# KiCad board DCTransistor.kicad_pcb (continued)
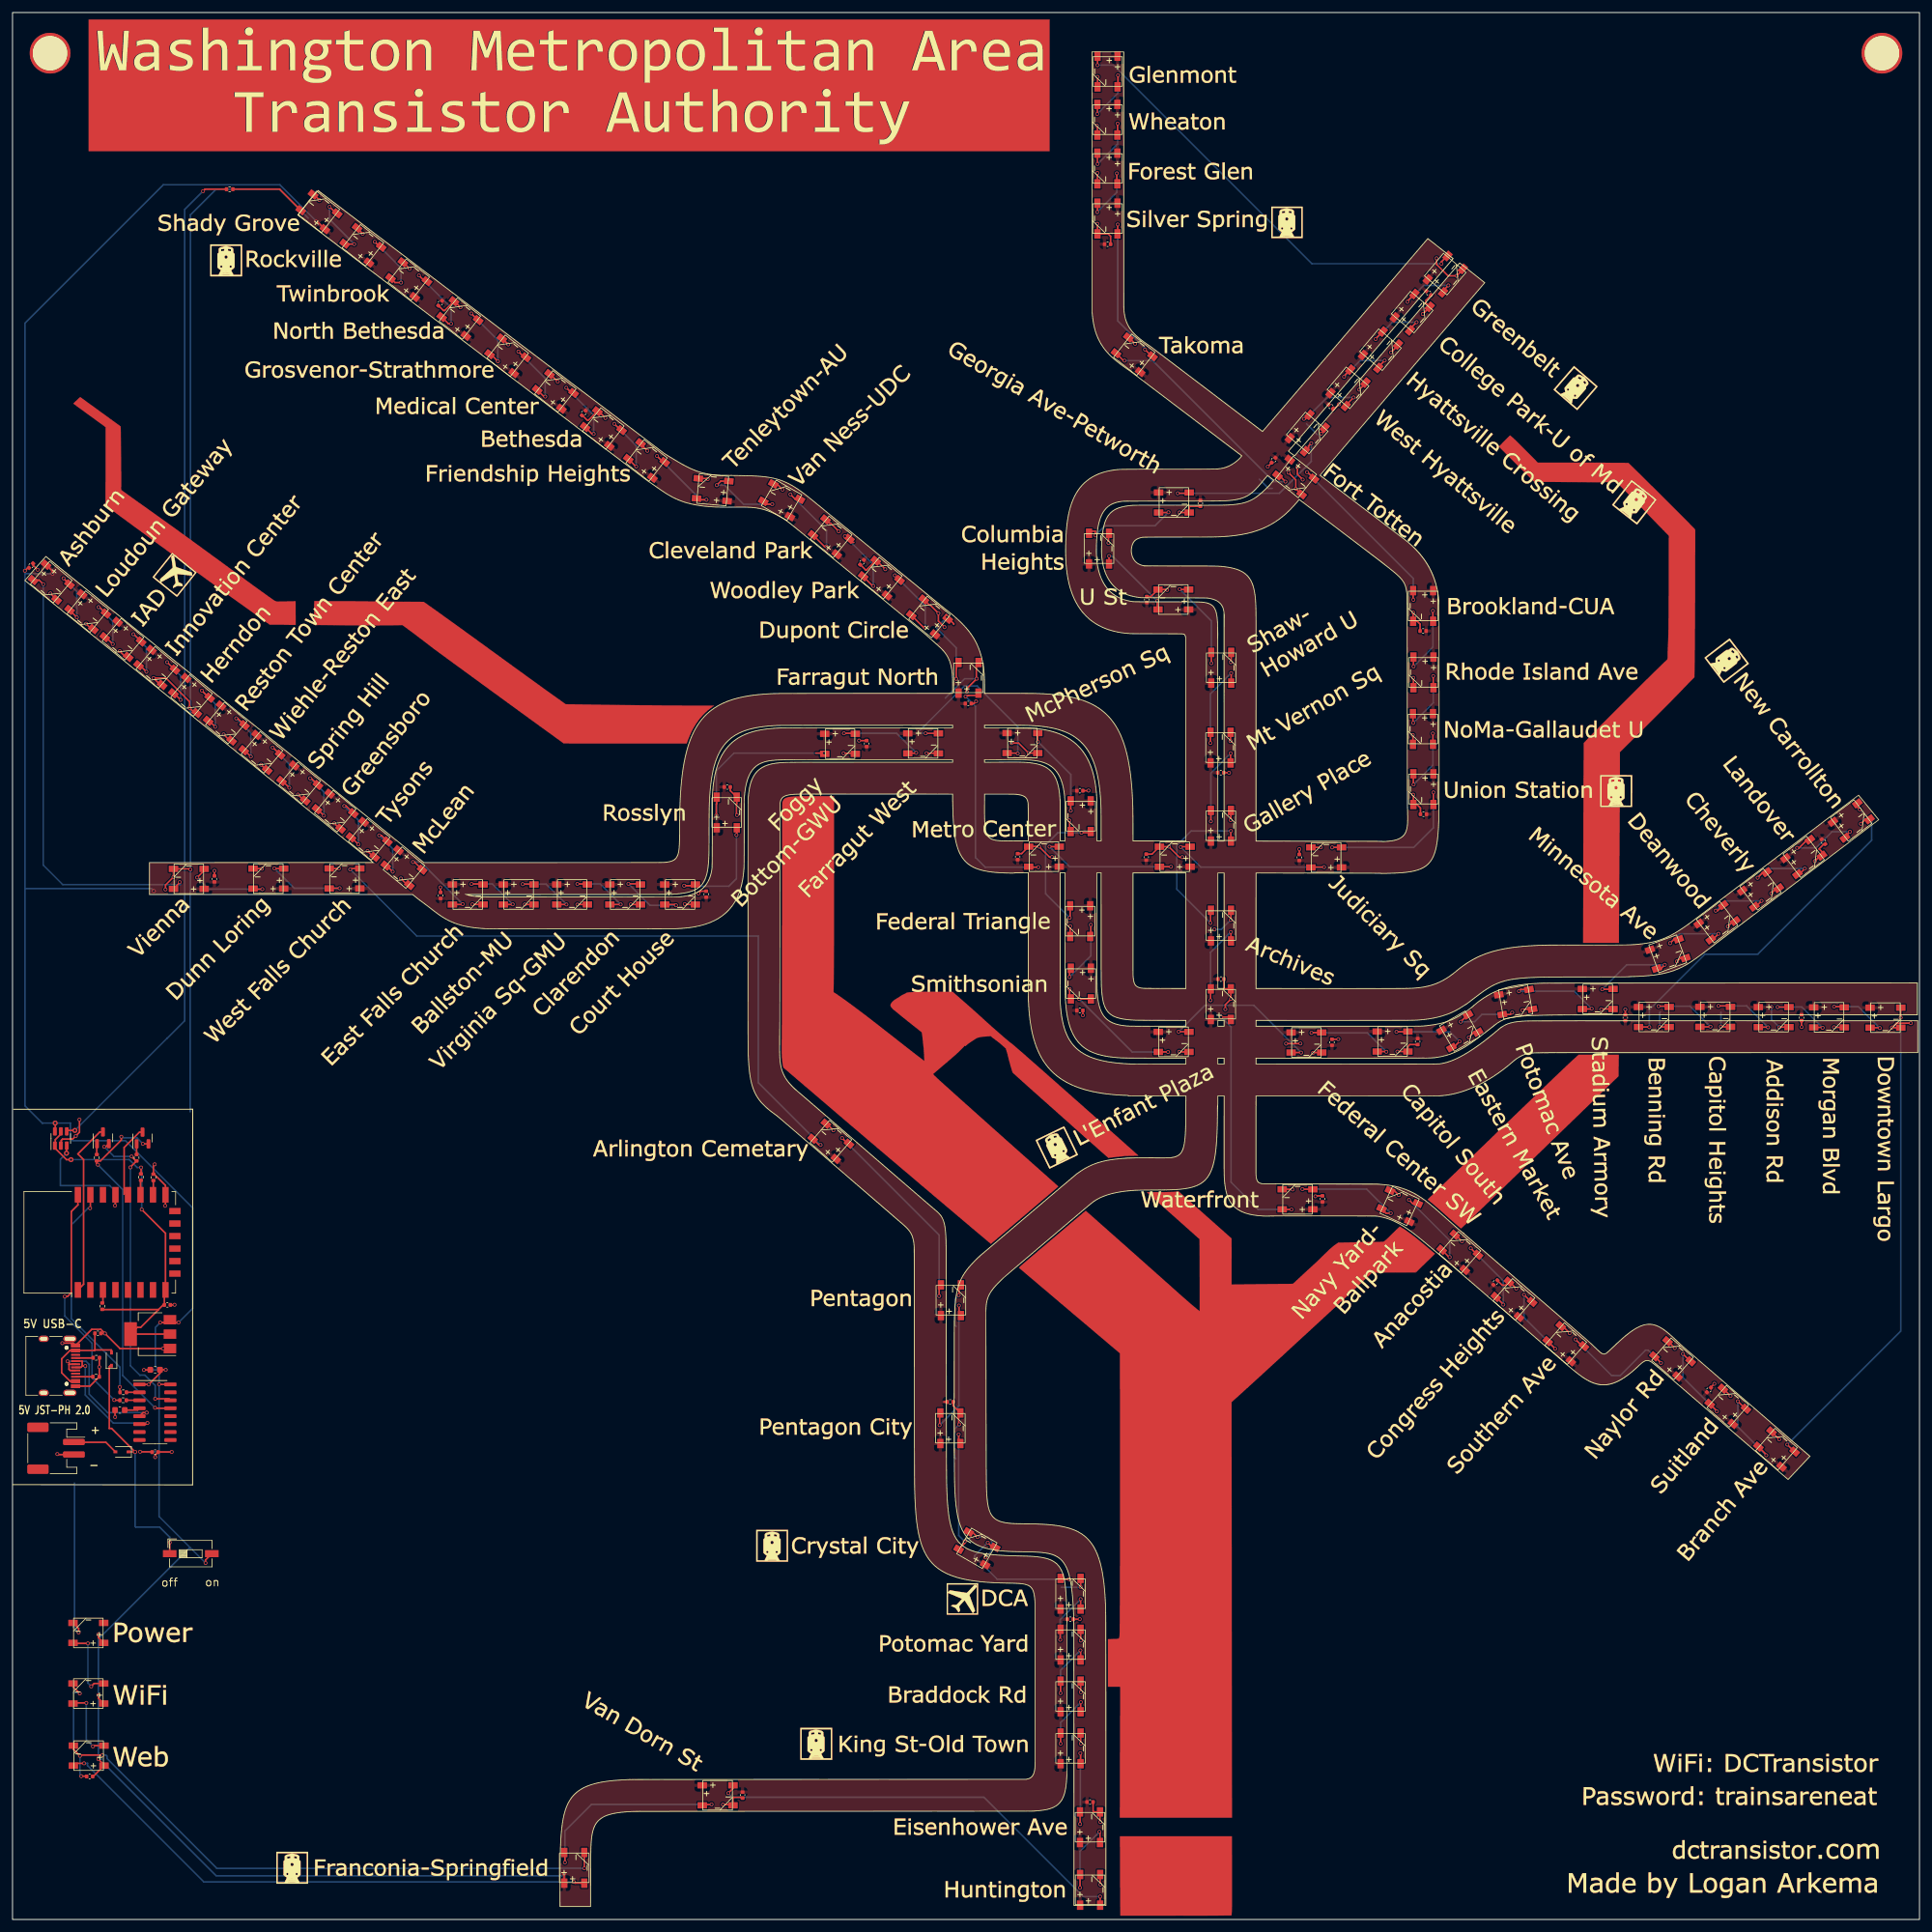
[diagram p0: board, top side]
## Nets (continued)
Net-(D58-Pad2): D58.2 D59.4
Net-(D59-Pad2): D59.2 D60.4
Net-(D60-Pad2): D60.2 D61.4
Net-(D61-Pad2): D61.2 D62.4
Net-(D62-Pad2): D62.2 D63.4
Net-(D63-Pad2): D63.2 D64.4
Net-(D64-Pad2): D64.2 D65.4
Net-(D65-Pad2): D65.2 D66.4
Net-(D66-Pad2): D66.2 D67.4
Net-(D67-Pad2): D67.2 D68.4
Net-(D68-Pad2): D68.2 D69.4
Net-(D69-Pad2): D69.2 D70.4
Net-(D70-Pad2): D70.2 D71.4
Net-(D71-Pad2): D71.2 D72.4
Net-(D72-Pad2): D72.2 D73.4
Net-(D73-Pad2): D73.2 D74.4
Net-(D74-Pad2): D74.2 D75.4
Net-(D75-Pad2): D75.2 D76.4
Net-(D76-Pad2): D76.2 D77.4
Net-(D77-Pad2): D77.2 D78.4
Net-(D78-Pad2): D78.2 D79.4
Net-(D79-Pad2): D79.2 D80.4
Net-(D80-Pad2): D80.2 D81.4
Net-(D81-Pad2): D81.2 D82.4
Net-(D82-Pad2): D82.2 D83.4
Net-(D83-Pad2): D83.2 D84.4
Net-(D84-Pad2): D84.2 D85.4
Net-(D85-Pad2): D85.2 D86.4
Net-(D86-Pad2): D86.2 D87.4
Net-(D87-Pad2): D87.2 D88.4
Net-(D88-Pad2): D88.2 D89.4
Net-(D89-Pad2): D89.2 D90.4
Net-(D90-Pad2): D90.2 D91.4
Net-(D91-Pad2): D91.2 D92.4
Net-(D92-Pad2): D92.2 D93.4
Net-(D93-Pad2): D93.2 D94.4
Net-(D94-Pad2): D94.2 D95.4
Net-(D95-Pad2): D95.2 D96.4
Net-(D96-Pad2): D96.2 D97.4
Net-(D98-Pad2): D98.2 D99.4
Net-(D100-Pad2): D100.2 D101.4
Net-(D100-Pad4): D99.2 D100.4
Net-(D101-Pad2): D101.2 D102.4
Net-(D102-Pad2): D102.2 D103.4
Net-(D103-Pad2): D103.2 D104.4
Net-(D104-Pad2): D104.2 D105.4
Net-(D105-Pad2): D105.2 D106.4
Net-(J0-PadA5): J0.A5 R0.2
Net-(J0-PadA6): J0.A6 J0.B6 U0.5
Net-(J0-PadA7): J0.A7 J0.B7 U0.6
Net-(J0-PadB5): J0.B5 R3.2
Net-(Q0-Pad1): Q0.1 R4.2
Net-(Q0-Pad2): Q0.2 R5.1 U0.14
Net-(Q1-Pad1): Q1.1 R5.2
Net-(Q1-Pad2): Q1.2 R4.1 U0.13
Net-(R1-Pad1): R1.1 U0.2
Net-(R2-Pad1): R2.1 U0.3
Net-(R6-Pad2): R6.2 U2.3
Net-(R7-Pad1): R7.1 U2.17
Net-(R8-Pad2): R8.2 U3.4
Net-(R9-Pad1): R9.1 U2.16

Pads without a net: D106 2; J0 A8 B8; J1 MP; M2_0 1; M2_0#2 1; U0 7 8 9 10 11 12 15; U2 2 4 5 6 7 9 10 11 12 13 14 20

## Via types
v1: diameter 0.6, hole 0.4, Top to Bottom, 403 vias
v2: diameter 0.8, hole 0.4, Top to Bottom, 4 vias

## Routing (per net, layer and track width the routed paths; a pad name or vN(x,y) marks a point on that pad's centre or on a via; arc(x,y) is an arc through that point)
+3V3: length 66.3
  Top w0.25: 7.79,126 7.79,125.6 6.84,124.65 6.84,123.24 ; 20.47,119.21 20.55,119.29 20.55,120.18 ; U1.2 U1.2 19.94,94.64 20.49,94.64 23.33,97.48 ; v2(9.35,121.45) 8.63,121.45 6.77,123.31 U3.1 ; 23.33,97.48 24.08,98.23 C3.1 24.27,100.29 24.45,100.47 24.45,109.68 v1(20.65,113.48) ; 23.33,97.48 23.32,97.49 14.38,97.49 R6.1
  Bottom w0.25: 20.63,113.5 v1(20.65,113.48) 20.65,120.08 v1(20.54,120.19) 19.92,120.19 18.64,121.46 8.95,121.46 ; 9.35,121.45 v2(9.35,121.45)
+5V: length 457.4
  Top w0.25: 31.86,58.47 30.85,57.47 v1(30.85,56.98) ; v1(21,87.83) 22,87.83 22.02,87.86 ; D2.1 48.72,271.39 v1(48.54,271.39) ; D103.1 88.17,5.83 v1(88.17,7.34) ; v1(13.74,25.61) 14.62,24.73 D104.1 12.89,22.86 C37.1 ; D88.1 6.4,215.5 v1(6.4,215.1) ; v1(23.43,85.55) 23.45,85.53 U0.16 ; v1(23.61,95.41) 26.32,95.41 ; v1(13.72,45.54) 13.72,45.05 D106.1 ; 6.84,126 6.84,127.28 v2(6.82,127.3) ; 148.89,82.73 148.9,82.72 C21.1 ; v1(13.74,35.86) 13.74,35.35 D105.1 ; 22.04,74.75 20.4,74.75 v1(20.39,74.76) ; C28.1 2.45,216.04 v1(1.98,215.57)
  Bottom w0.25: 1.98,215.07 2.02,215.11 6.42,215.11 6.42,215.1 v1(6.4,215.1) ; 1.98,215.07 v1(1.98,215.57) 1.98,255.14 24.11,277.27 42.73,277.27 48.54,271.46 v1(48.54,271.39) ; 1.98,215.07 1.98,164.78 ; 14.3,25.61 v1(13.74,25.61) 13.74,45.52 v1(13.72,45.54) 13.93,45.33 ; v1(30.85,56.98) 23.43,64.4 23.43,74.71 ; v1(88.17,7.34) 87.8,6.97 32.57,6.97 14.48,25.06 ; v1(26.53,95.41) 28.8,97.68 28.8,113.73 18.05,124.48 9.59,124.48 ; v1(23.61,95.41) 22.83,94.63 22.83,88.46 23.43,87.86 ; 20.99,87.82 v1(21,87.83) 23.4,87.83 23.43,87.86 ; 23.43,87.86 v1(23.43,85.55) 23.43,74.71 ; 1.98,164.78 1.98,130.07 4.77,127.28 4.79,127.3 v2(6.82,127.3) 9.23,127.3 9.25,127.28 9.25,127.27 9.25,124.94 9.71,124.47 ; 1.98,164.78 22.2,164.78 v1(22.6,164.38) ; 23.43,74.71 23.38,74.76 21.25,74.76 v1(20.39,74.76) ; 13.9,44.99 28.32,59.41
GND: length 675.5
  Top w0.25: v1(154.02,194.69) 153.68,194.35 C27.2 ; v1(131.2,126.14) 130.14,127.2 D92.3 ; D75.3 90.29,162.23 v1(90.28,162.22) ; v1(151.31,79.13) 151.23,79.21 151.23,80.96 ; 24.45,115.31 24.45,114.13 v1(24.39,114.07) ; D99.3 170.72,28.16 v1(170.77,28.11) ; D59.3 266.58,153.67 v1(266.04,153.13) ; v1(223.81,189.33) 223.84,189.3 D20.3 ; v1(22.81,73.9) 22.81,74.23 22.91,74.34 22.91,74.34 23.32,74.75 23.59,74.75 ; D50.3 300.44,142.54 v1(300.41,142.57) 301.1,143.26 v1(303.42,143.26) ; v1(170.76,44.58) 170.72,44.62 D97.3 ; C11.2 271.45,85.06 v1(272.01,85.62) ; 147.84,186.41 v1(146.08,186.41) ; J0.A12 12.37,85.25 R3.1 13.87,89.75 R0.1 ; C37.2 11.8,22.91 v1(10.98,22.91) ; v1(87.15,245.79) 85.93,247.01 D7.3 ; D65.3 186.51,138.67 v1(186.49,138.69) ; D11.3 122.17,229.46 v1(123.08,228.55) ; v1(215.25,244.52) 216.41,245.68 216.41,245.8 ; D24.3 178.41,252.87 v1(179.43,251.85) ; v1(39.74,184.57) 40.57,183.74 D82.3 ; v1(10.75,36.13) 9.67,37.21 D105.3 ; v1(7.96,92.12) 9.71,92.12 J0.A1 12.66,94.32 14.12,94.32 v1(14.77,93.67) ; v1(11.76,207.11) 12.62,206.25 D87.3 ; v1(73.49,162.25) 73.51,162.23 D77.3 ; v1(173.9,5.59) 173.84,5.65 D101.3 ; v1(170.73,53.16) 170.72,53.17 D96.3 ; v1(220.34,250.47) 221.45,251.58 D31.3 ; D64.3 207.92,138.57 v1(207.88,138.53) ; C31.2 161.29,170.36 D16.3 ; D38.3 194.69,188.37 v1(194.67,188.35) ; v1(282.41,142.59) 282.45,142.63 D52.3 ; v1(253.93,145.48) 253.98,145.53 D60.3 ; C33.2 175.51,269.05 175.14,269.42 D25.3 173.41,271.01 v1(173.39,271.03) ; D74.3 98.84,162.23 v1(98.82,162.25) ; v1(209.17,237.48) 210.31,238.63 ; v1(227.62,265.51) 227.62,264.54 229.45,262.71 v1(230.83,262.71) 231.7,263.58 231.7,263.77 ; 296.11,175.8 296.21,175.9 296.44,175.9 ; 296.11,175.8 296.16,175.85 D55.3 ; 296.11,175.8 v1(295.44,175.13) ; v1(24.45,164.64) 24.45,165.35 v1(25.73,166.63) D89.3 28.34,167.93 v1(28.44,167.83) ; C8.2 223.32,139.84 223.03,139.55 D63.3 221.37,138.73 v1(221.35,138.71) ; v1(159.69,188.03) 160.81,188.03 v1(162.41,186.43) D69.3 ; D83.3 34.72,188.44 v1(33.75,189.41) ; v1(4.03,215.73) 3.29,216.47 C28.2 ; C1.2 14.75,93.69 v1(14.77,93.67) ; D67.3 169.05,158.75 v1(169.06,158.76) ; D47.3 264.59,92.43 v1(265.68,91.34) ; v1(17.14,202.72) 18.04,201.82 D86.3 ; v1(56.75,170.77) 57.67,169.85 D79.3 ; C21.2 150.35,82.12 D94.3 ; v1(194.71,175.72) 194.74,175.75 D39.3 ; v1(282.39,76.73) 281.15,77.97 D49.3 ; v1(184.55,212.51) 184.48,212.58 D36.3 181.95,211.45 C9.2 ; v1(248.88,93.73) 247.76,94.85 D46.3 ; v1(39.86,167.94) 39.83,167.97 D90.3 ; C18.2 182.13,170.28 D17.3 184.8,171.47 v1(184.81,171.48) 186.5,169.79 v1(186.96,169.79) ; U1.1 24.06,91.26 v1(24.05,91.25) 17.19,91.25 v1(14.77,93.67) ; 9.79,74.31 7.24,74.31 v1(7.16,74.39) ; v1(173.44,294.5) 173.42,294.48 D28.3 ; D81.3 46.57,178.87 v1(45.63,179.81) ; D13.3 136.49,215.7 136.36,215.7 135.5,216.56 C17.2 ; 138.24,216.89 138.43,216.89 v1(139.5,215.82) ; v1(132.06,221.88) 130.75,223.19 130.54,223.19 D12.3 ; D58.3 275.04,159.59 v1(274.17,158.72) ; v1(281.12,164.02) 281.94,164.84 D57.3 ; C34.2 172.71,17.31 172.82,17.2 D100.3 173.82,15.63 v1(173.88,15.57) ; D91.3 52.16,167.99 v1(52.17,167.98) ; D85.3 23.63,197.33 v1(22.54,198.42) 24.53,198.42 28.3,194.65 v1(28.3,193.67) 29.13,192.84 D84.3 ; D14.3 146.55,210.09 146.69,210.09 v1(147.99,208.79) 147.99,207.53 v1(148.96,206.56) ; C22.2 211.89,140.69 v1(211.91,140.71) ; D27.3 173.4,286.64 v1(173.32,286.72) ; D88.3 7.05,210.96 v1(6.06,211.95) ; C16.2 171.97,180.42 v1(171.99,180.44) ; C40.2 v1(257.78,145.45) ; 134.66,186.41 v1(132.83,186.41) ; D3.3 55.07,270.35 v1(55.97,269.45) ; v1(170.77,36.33) 170.72,36.38 D98.3 ; v1(14.36,26.28) 10.9,26.28 v1(10.78,26.16) 9.72,27.22 D104.3 ; D37.3 194.79,201.01 v1(194.74,200.96) ; v1(285.96,142.65) 285.95,142.66 C42.2 ; D48.3 273.43,84.84 v1(274.6,83.67) ; v1(223.87,179.79) 223.9,179.76 D19.3 224.48,178.22 225.04,177.66 C30.2 ; D80.3 52.27,174.36 v1(51.43,175.2) ; v1(115.79,176.53) 115.71,176.61 115.71,178.31 115.76,178.36 D72.3 114.72,180.43 C12.2 ; v1(166.15,169.8) 165.76,169.8 v1(164.08,171.48) 164.05,171.51 162.53,171.51 ; v1(231.67,108.4) 230.61,109.46 D44.3 ; C10.2 224.98,207.04 224.52,207.5 D22.3 v1(223.86,208.92) ; D40.3 194.75,159.8 v1(194.71,159.76) ; v1(225.41,256.6) 226.52,257.71 D30.3 225.92,258.35 225.92,258.78 226.72,259.58 C26.2 ; 210.98,241.22 210.98,241.24 211.08,241.24 v1(212.03,242.19) ; v1(10.57,45.88) 10.57,46.5 D106.3 ; v1(291.14,142.61) 291.16,142.59 D51.3 ; v1(209.1,171.37) 209.09,171.36 D18.3 ; D10.3 111.01,230.33 v1(111.12,230.22) ; 237.33,102.18 C36.2 237.33,102.15 238.11,101.37 238.62,101.37 D45.3 239.26,101.93 v1(240.35,100.84) ; D53.3 273.11,142.67 v1(273.06,142.72) ; v1(203.95,231.25) 205.11,230.09 v1(205.11,228.68) 206,227.79 D23.3 ; v1(107.44,162.3) 107.51,162.23 D73.3 ; C38.2 208.31,115.66 v1(208.24,115.59) ; 116.85,19.52 115.28,19.52 115.27,19.53 115.15,19.41 115.15,18.36 v1(113.56,18.36) ; v1(154.23,61.12) 153.41,61.94 D95.3 ; v1(10.7,127.85) 10.7,125.82 10.11,125.24 ; R9.2 22.65,119.13 24.45,117.33 U2.15 ; v1(173.41,279.15) 173.4,279.14 D26.3 ; 289.74,171.84 C24.2 289.52,171.89 288.75,171.12 289.21,170.66 D56.3 288.94,170.03 v1(288.07,169.16) ; D78.3 63.11,165.34 v1(62.07,166.38) ; v1(71.6,257.69) 70.63,258.66 D5.3 69.08,257.17 68.88,257.17 68.09,257.96 C14.2 ; D61.3 241.49,145.5 v1(241.33,145.34) ; D15.3 154.05,200.56 154.05,198.38 v1(154.11,198.32) 152.54,196.75 v1(152.54,196.26) ; C15.2 v1(135.31,188.43) ; D103.3 v1(91.39,8.18) ; v1(263.28,142.68) 263.31,142.65 D54.3 ; v1(186.51,224.89) 186.52,224.88 D34.3 188.08,225.75 188.21,225.88 C6.2 ; v1(68.4,164.97) 68.42,164.95 C5.2 ; 10.11,125.24 v1(10.11,125.23) ; 10.11,125.24 9.61,124.74 8,124.74 7.79,124.53 7.79,123.72 ; 22.52,119.21 22.52,120.5 v1(22.72,120.7) ; v1(24.49,87.85) 24.48,87.86 C0.2 23.57,87.31 v1(21.77,85.51) 21.75,85.53 U0.1 ; 151.28,101.45 151.28,99.83 v1(151.24,99.79) ; D43.3 220.84,116.52 v1(221.57,115.79) ; C2.2 16.39,80.33 v1(16.4,80.31) ; v1(223.89,198.45) 223.91,198.43 D21.3 ; C25.2 110.01,164.36 v1(109.63,163.98) ; C19.2 v1(205.68,171.08) ; 168.96,173.89 168.96,175.6 v1(168.9,175.66) ; C3.2 25.88,98.23 v1(25.9,98.25) ; C29.2 194.42,183.3 v1(194.44,183.28) ; C32.2 v1(32.27,167.6) ; C13.2 201.26,232.84 v1(200.63,232.21) ; v1(94.76,240) 93.69,241.07 D8.3 92.07,239.65 91.84,239.65 91.09,240.4 C7.2 ; 168.96,147.13 v1(168.96,148.72) ; D42.3 204.58,116.71 v1(204.61,116.68) ; 23.71,74.73 v1(25.45,74.73) ; D2.3 48.16,275.71 v1(49.04,274.83) ; v1(101.47,234.75) 100.39,235.83 D9.3 ; v1(232.77,140.99) 233.6,141.82 D62.3 ; v1(79.24,251.75) 78.28,252.71 D6.3 ; v1(63.48,263.84) 62.45,264.87 D4.3 ; 175.2,221.49 175.17,221.46 v1(175.17,220.03) ; C41.2 193.62,148.75 D41.3 194.73,147.17 v1(194.76,147.14) 193.85,146.23 v1(193.85,145.5) ; D76.3 v1(81.88,162.23) ; C20.2 v1(171.08,144.51) ; C39.2 170.57,47.99 v1(170.59,48.01)
  Bottom w0.25: v1(282.41,142.59) 281.14,143.86 v1(281.14,145.86) ; v1(10.75,36.13) 10.64,36.24 9.75,36.24 9.75,27.19 v1(10.78,26.16) 10.78,23.11 v1(10.98,22.91) ; v1(10.57,45.88) 9.71,46.74 9.71,47.31 ; v1(154.23,61.12) 155.88,61.12 156.5,60.5 156.5,58.87 v1(155.49,57.86) ; 47.26,271.93 42.63,276.56 32.55,276.56 28.44,272.45 v1(28.44,167.83) 28.44,164.38 28.39,164.33 28.39,129.1 ; v1(170.73,53.16) 170.66,53.09 167.63,53.09 ; 201.34,228.73 200.75,228.73 199.28,230.2 ; v1(151.31,79.13) 150.61,78.43 150.61,73.8 150.78,73.63 ; 263.38,145.06 263.28,144.96 v1(263.28,142.68) ; v1(194.71,159.76) 193.19,158.24 v1(192.11,158.24) ; v1(14.36,26.28) 14.92,26.28 15.1,26.1 15.1,25.73 32.65,8.18 v1(91.39,8.18) ; 9.9,46.74 9.9,69.76 ; 150.82,94.8 150.65,94.97 150.65,99.2 v1(151.24,99.79) ; v1(273.06,142.72) 273.06,145.02 ; v1(154.11,198.32) 152.21,198.32 149.1,195.21
  vias: v1(13.87,88.3)
VBUS: length 16.6
  Top w0.25: C1.1 13.17,91.03 ; 13.17,91.03 15.78,91.03 15.82,90.99 D0.2 ; 13.17,91.03 13.09,90.95 J0.A4 9.19,90.95 7.86,89.62 7.86,87.38 9.19,86.05 J0.A9
(no net): length 7.1
  Top w0.25: v1(205.37,232.1) 205.37,231 v1(206.22,230.15) ; v1(205.86,140.01) 205.84,139.99 v1(203.56,139.99)
  Bottom w0.25: 203.5,139.96 203.53,139.96 v1(203.56,139.99) ; 208.56,237.33 206.84,239.05
+BATT: length 7.3
  Top w0.25: D1.2 14.92,76.27 9.83,76.27 9.79,76.31
/D47-48: length 79
  Top w0.25: D49.2 284.79,74.78 v1(283.67,75.9) ; D50.4 301.8,145.73 v1(301.8,144.15)
  Bottom w0.25: v1(301.8,144.15) 301.8,94.03 v1(283.67,75.9)
/D95-96: length 11.6
  Top w0.25: v1(170.69,43.01) 170.72,42.98 D97.2 ; D98.4 167.51,38.09 v1(167.51,36.19)
  Bottom w0.25: v1(167.51,36.19) 167.51,39.83 v1(170.69,43.01)
/DIN: length 12.2
  Top w0.25: 35.24,276.55 35.25,276.56 42.7,276.56 D2.4
/esp-gpio0: length 11.4
  Top w0.25: 17.84,115.92 17.84,123.39 20.3,125.85 Q1.3
/esp-rst: length 27.9
  Top w0.25: Q0.3 13.97,125.88 10.45,122.36 11.36,121.45 11.36,101.54 U2.1
/GPIO_DATA: length 19.5
  Top w0.25: 8.74,123.72 8.63,123.61 v2(8.63,122.48) ; v1(16.37,114.1) 16.45,114.18 16.45,115.31
  Bottom w0.25: v2(8.63,122.48) 7.66,121.51 7.66,117.3 15.53,117.3 16.37,116.46 v1(16.37,114.1)
/rxd-to-tx: length 37.6
  Top w0.25: v1(8.35,99.57) 8.79,99.57 9.4,100.18 9.4,113.16 10.45,114.21 10.45,115.31 ; R2.2 16.3,82.99 v1(16.26,83.03)
  Bottom w0.25: v1(8.35,99.57) 8.35,96.46 12.71,92.1 12.71,86.58 v1(16.26,83.03)
/txd-to-rx: length 35.7
  Top w0.25: 12.45,115.31 12.45,113.74 v1(12.4,113.69) ; v1(17.16,85.11) 17.16,84.29 R1.2
  Bottom w0.25: v1(17.16,85.11) 17.16,88.28 9.41,96.03 9.41,111.04 12.06,113.69 v1(12.4,113.69)
Net-(C2-Pad1): length 2.5
  Top w0.25: U0.4 20,81.43 C2.1
Net-(D0-Pad1): length 37.8
  Top w0.25: v1(19.59,74.74) 15.84,78.49 15.47,78.49 15.47,88.37 15.61,88.51 D0.1 ; v1(19.59,74.74) 19.6,74.73 ; v1(19.59,74.74) D1.1 ; SW0.1 25.12,60.27 v1(25.13,60.27)
  Bottom w0.25: v1(19.59,74.74) 19.59,62.83 19.72,62.7 23.53,62.7 25.13,61.1 v1(25.13,60.27)
Net-(D2-Pad2): length 10.8
  Top w0.25: D2.2 51.73,272.7 v1(50.68,273.75) ; v1(54.61,267.79) 53.16,267.79 D3.4
  Bottom w0.25: v1(54.61,267.79) 50.68,271.72 v1(50.68,273.75)
Net-(D3-Pad2): length 11.6
  Top w0.25: v1(62.1,261.63) 61.14,261.63 D4.4 ; v1(57.9,268.15) 58.69,267.36 D3.2
  Bottom w0.25: v1(57.9,268.15) 62.1,263.95 v1(62.1,261.63)
Net-(D4-Pad2): length 13.5
  Top w0.25: D4.2 65.87,261.86 v1(64.96,262.77) ; D5.4 69.68,255.05 v1(70.1,255.05)
  Bottom w0.25: v1(64.96,262.77) 70.1,257.63 v1(70.1,255.05)
Net-(D5-Pad2): length 12.8
  Top w0.25: v1(77.58,249.05) 76.44,250.19 D6.4 ; v1(73.32,256.7) 74.38,255.64 D5.2
  Bottom w0.25: v1(77.58,249.05) 77.58,252.44 v1(73.32,256.7)
Net-(D6-Pad2): length 12.3
  Top w0.25: D6.2 81.78,249.69 v1(80.86,250.61) ; D7.4 84.94,243.41 v1(85.15,243.41)
  Bottom w0.25: v1(85.15,243.41) 85.15,246.32 v1(80.86,250.61)
Net-(D7-Pad2): length 12.5
  Top w0.25: D7.2 89.34,244 v1(88.52,244.82) ; v1(92.89,237.45) 92.62,237.45 D8.4
  Bottom w0.25: v1(92.89,237.45) 92.89,240.45 v1(88.52,244.82)
Net-(D8-Pad2): length 11.6
  Top w0.25: D9.4 99.63,232.24 v1(99.69,232.24) ; D8.2 97.19,238.06 v1(96.19,239.06)
  Bottom w0.25: v1(96.19,239.06) 99.69,235.56 v1(99.69,232.24)
Net-(D10-Pad2): length 14
  Top w0.25: D11.4 120.48,226.21 v1(121.43,226.21) ; v1(112.56,229.25) 113.21,229.9 D10.2
  Bottom w0.25: v1(121.43,226.21) 116.84,226.21 113.8,229.25 v1(112.56,229.25)
Net-(D10-Pad4): length 14.1
  Top w0.25: D9.2 103.96,232.96 v1(103.01,233.91) ; D10.4 109.55,226.92 v1(110.92,226.92)
  Bottom w0.25: v1(110.92,226.92) 110,226.92 v1(103.01,233.91)
Net-(D11-Pad2): length 15.5
  Top w0.25: v1(124.34,227.78) 125.11,227.01 D11.2 ; v1(130.11,219.46) 129.77,219.46 D12.4
  Bottom w0.25: v1(130.11,219.46) 130.11,222.01 v1(124.34,227.78)
Net-(D12-Pad2): length 13.5
  Top w0.25: 134.45,220.11 134.03,220.11 v1(133.05,221.09) ; 136.23,214.4 137.49,213.14 v1(137.59,213.14)
  Bottom w0.25: v1(137.59,213.14) 137.59,216.55 v1(133.05,221.09)
Net-(D13-Pad2): length 14.9
  Top w0.25: v1(145.88,206.5) 145.64,206.5 D14.4 ; v1(141.02,214.84) 142.05,213.81 142.05,213.81
  Bottom w0.25: v1(141.02,214.84) 145.88,209.98 v1(145.88,206.5)
Net-(D14-Pad2): length 16.4
  Top w0.25: 150.45,207.01 150.45,207.1 v1(149.37,208.18) ; 150.85,199.88 150.85,200.56 150.83,200.54 v1(150.83,198.3)
  Bottom w0.25: v1(149.37,208.18) 147.76,206.57 147.76,206.35 150.83,203.28 v1(150.83,198.3)
Net-(D15-Pad2): length 40.8
  Top w0.25: 162.53,168.31 162.64,168.2 v1(163.95,168.2) ; D15.2 154.05,195.66 152.82,195.66 152.8,195.64 152.48,195.64 v1(152.33,195.49)
  Bottom w0.25: v1(152.33,195.49) 153.92,193.9 153.92,169.74 155.46,168.2 v1(163.95,168.2)
Net-(D16-Pad2): length 24.2
  Top w0.25: v1(165.75,171.47) 165.76,171.48 D16.2 ; D17.4 183.33,168.26 v1(185.17,168.26)
  Bottom w0.25: v1(165.75,171.47) 168.96,168.26 v1(185.17,168.26)
Net-(D17-Pad2): length 27.9
  Top w0.25: D18.4 207.57,168.21 v1(209.63,168.21) ; v1(186.72,171.42) 186.77,171.47 D17.2
  Bottom w0.25: v1(186.72,171.42) 189.93,168.21 v1(209.63,168.21)
Net-(D18-Pad2): length 26.6
  Top w0.25: v1(210.92,171.35) 210.93,171.36 D18.2 ; v1(227.1,180.14) D19.4
  Bottom w0.25: v1(227.1,180.14) 227.1,174.49 223.96,171.35 v1(210.92,171.35)
Net-(D19-Pad2): length 12.9
  Top w0.25: v1(223.94,181.41) 223.9,181.45 D19.2 ; v1(227.03,189.56) 227.04,189.55 D20.4
  Bottom w0.25: v1(223.94,181.41) 227.03,184.5 v1(227.03,189.56)
Net-(D20-Pad2): length 12.2
  Top w0.25: D20.2 223.84,191.29 v1(223.88,191.25) ; D21.4 227.08,196.91 v1(227.08,198.75)
  Bottom w0.25: v1(223.88,191.25) 227.08,194.45 v1(227.08,198.75)
Net-(D21-Pad2): length 13.3
  Top w0.25: v1(227.03,209.16) 227.03,207.53 D22.4 ; v1(223.94,200.28) 223.91,200.31 D21.2
  Bottom w0.25: v1(227.03,209.16) 227.03,203.37 v1(223.94,200.28)
Net-(D22-Pad2): length 30.5
  Top w0.25: D23.4 207,231.33 v1(206.9,231.33) ; v1(223.9,210.93) 223.86,210.97 D22.2
  Bottom w0.25: v1(223.9,210.93) 223.9,214.33 v1(206.9,231.33)
Net-(D23-Pad2): length 37.3
  Top w0.25: v1(203.46,229.82) 202.47,230.81 D23.2 ; D24.4 177.57,249.16 v1(177.75,249.16)
  Bottom w0.25: v1(203.46,229.82) 201.57,229.82 182.23,249.16 v1(177.75,249.16)
Net-(D24-Pad2): length 25
  Top w0.25: D24.2 182.09,249.86 v1(181.01,250.94) ; D25.4 176.66,269.47 v1(176.66,270.92)
  Bottom w0.25: v1(176.66,270.92) 176.66,255.5 181.01,251.15 v1(181.01,250.94)
Net-(D25-Pad2): length 10.6
  Top w0.25: D25.2 173.41,272.96 v1(173.36,272.91) ; D26.4 176.52,277.5 v1(176.52,279.09)
  Bottom w0.25: v1(176.52,279.09) 176.52,276.07 v1(173.36,272.91)
Net-(D26-Pad2): length 11.4
  Top w0.25: v1(176.64,287.05) 176.64,285.26 D27.4 ; D26.2 173.4,280.62 v1(173.43,280.59)
  Bottom w0.25: v1(176.64,287.05) 176.64,283.8 v1(173.43,280.59)
Net-(D27-Pad2): length 11
  Top w0.25: v1(176.7,294.77) 176.7,293 D28.4 ; v1(173.37,288.58) 173.4,288.61 D27.2
  Bottom w0.25: v1(176.7,294.77) 176.7,291.91 v1(173.37,288.58)
Net-(D28-Pad2): length 71.1
  Top w0.25: 229.26,265.83 228.39,264.96 v1(228.39,264.65) ; D28.2 173.42,296.4 v1(173.41,296.39)
  Bottom w0.25: v1(173.41,296.39) 175.96,296.39 207.7,264.65 v1(228.39,264.65)
Net-(D29-Pad2): length 10.9
  Top w0.25: D30.4 222.95,258.68 v1(222.95,258.56) ; 228.54,260.03 228.54,260.22 v1(229.5,261.18)
  Bottom w0.25: v1(229.5,261.18) 225.57,261.18 v1(222.95,258.56)
Net-(D30-Pad2): length 11
  Top w0.25: D30.2 223.36,254.24 v1(224.42,255.3) ; D31.4 217.88,252.67 v1(217.88,252.61)
  Bottom w0.25: v1(224.42,255.3) 220.57,255.3 v1(217.88,252.61)
Net-(D31-Pad2): length 10.9
  Top w0.25: D31.2 218.29,248.14 v1(219.32,249.17) ; 213.97,247.87 212.83,246.73 v1(212.83,246.58)
  Bottom w0.25: v1(219.32,249.17) 215.42,249.17 v1(212.83,246.58)
Net-(D32-Pad2): length 12.2
  Top w0.25: v1(206.4,239.85) 206.43,239.82 206.62,239.82 D33.4 ; v1(214.35,243.27) 213.25,242.17 213.25,242.06
  Bottom w0.25: v1(206.4,239.85) 206.7,239.85 210.12,243.27 v1(214.35,243.27)
Net-(D33-Pad2): length 29.9
  Top w0.25: v1(186.25,227.96) 187.96,227.96 D34.4 ; v1(207.59,235.96) 207.15,235.52 207.15,235.27 D33.2
  Bottom w0.25: v1(186.25,227.96) 202.48,227.96 207.59,233.07 v1(207.59,235.96)
Net-(D34-Pad2): length 16.6
  Top w0.25: v1(184.76,224.92) 184.72,224.88 D34.2 ; D35.4 172.39,221.9 173.08,221.9 v1(173.08,221.22)
  Bottom w0.25: v1(173.08,221.22) 174.62,222.76 182.6,222.76 v1(184.76,224.92)
Net-(D35-Pad2): length 13.3
  Top w0.25: D36.4 182.98,209.48 v1(182.98,210.74) ; v1(175.28,217.92) 175.26,217.9 D35.2
  Bottom w0.25: v1(175.28,217.92) 175.8,217.92 v1(182.98,210.74)
Net-(D36-Pad2): length 17.1
  Top w0.25: D37.4 191.61,202.5 v1(191.61,200.81) ; D36.2 186.6,212.58 v1(186.54,212.64)
  Bottom w0.25: v1(186.54,212.64) 191.61,207.57 v1(191.61,200.81)
Net-(D37-Pad2): length 15.8
  Top w0.25: D38.4 191.47,189.74 v1(191.47,188.05) ; D37.2 194.79,199.2 v1(194.78,199.21)
  Bottom w0.25: v1(194.78,199.21) 191.47,195.9 v1(191.47,188.05)
Net-(D38-Pad2): length 15.5
  Top w0.25: D38.2 194.69,186.38 v1(194.71,186.4) ; v1(191.54,175.52) D39.4
  Bottom w0.25: v1(194.71,186.4) 191.54,183.23 v1(191.54,175.52)
Net-(D39-Pad2): length 27.9
  Top w0.25: D39.2 194.74,173.97 v1(194.75,173.98) ; D40.4 191.48,161.24 v1(191.48,159.29)
  Bottom w0.25: v1(194.75,173.98) 188.4,173.98 186.1,171.68 186.1,164.67 v1(191.48,159.29)
Net-(D40-Pad2): length 15.5
  Top w0.25: v1(191.49,146.93) 191.49,148.71 D41.4 ; D40.2 194.75,157.83 v1(194.74,157.84)
  Bottom w0.25: v1(191.49,146.93) 191.49,154.59 v1(194.74,157.84)
Net-(D41-Pad2): length 41.7
  Top w0.25: D41.2 194.34,144.24 v1(193.19,144.24) ; v1(204.43,113.48) 202.97,113.48 D42.4
  Bottom w0.25: v1(204.43,113.48) 199.12,113.48 194.77,117.83 194.77,142.66 v1(193.19,144.24)
Net-(D42-Pad2): length 19.2
  Top w0.25: v1(220.29,112.89) 219.54,112.89 D43.4 ; v1(206.17,116.74) 206.2,116.71 D42.2
  Bottom w0.25: v1(220.29,112.89) 216.44,116.74 v1(206.17,116.74)
Net-(D43-Pad2): length 15.2
  Top w0.25: v1(229.71,105.87) 229.61,105.87 D44.4 ; D43.2 223.79,114.44 v1(223.21,115.02)
  Bottom w0.25: v1(223.21,115.02) 229.71,108.52 v1(229.71,105.87)
Net-(D44-Pad2): length 14.5
  Top w0.25: v1(233.08,107.29) 234.12,106.25 D44.2 ; D45.4 238.28,98.32 v1(238.28,98.28)
  Bottom w0.25: v1(233.08,107.29) 238.28,102.09 v1(238.28,98.28)
Net-(D45-Pad2): length 14.2
  Top w0.25: D45.2 242.72,98.72 v1(241.59,99.85) ; v1(246.57,91.22) 245.37,92.42 D46.4
  Bottom w0.25: v1(241.59,99.85) 241.59,96.2 v1(246.57,91.22)
Net-(D46-Pad2): length 21.8
  Top w0.25: v1(263.48,88.96) 263.48,88.97 D47.4 ; v1(249.83,92.71) 250.9,91.64 D46.2
  Bottom w0.25: v1(249.83,92.71) 255.6,86.94 256.96,86.94 261.02,91 261.44,91 v1(263.48,88.96)
Net-(D47-Pad2): length 14.9
  Top w0.25: v1(266.99,90.4) 268.17,89.22 D47.2 ; D48.4 272.42,81.28 v1(272.42,81.2)
  Bottom w0.25: v1(272.42,81.2) 266.99,86.63 v1(266.99,90.4)
Net-(D48-Pad2): length 14.2
  Top w0.25: D48.2 276.97,81.63 v1(275.77,82.83) ; D49.4 280.31,74.32 v1(280.31,74.2)
  Bottom w0.25: v1(275.77,82.83) 275.77,78.74 v1(280.31,74.2)
Net-(D50-Pad2): length 12
  Top w0.25: D50.2 298.39,142.54 v1(298.46,142.47) ; v1(291.15,145.9) 292.68,145.9 D51.4
  Bottom w0.25: v1(291.15,145.9) 295.03,145.9 v1(298.46,142.47)
Net-(D51-Pad2): length 11.8
  Top w0.25: D51.2 289.24,142.59 v1(289.31,142.52) ; D52.4 282.14,145.83 v1(282.13,145.84)
  Bottom w0.25: v1(289.31,142.52) 285.99,145.84 v1(282.13,145.84)
Net-(D52-Pad2): length 12.9
  Top w0.25: v1(280.6,142.59) 280.56,142.63 D52.2 ; D53.4 274.45,146.02 v1(272.67,146.02)
  Bottom w0.25: v1(272.67,146.02) 277.17,146.02 v1(280.6,142.59)
Net-(D53-Pad2): length 13.1
  Top w0.25: D53.2 271.35,142.67 v1(271.39,142.71) ; v1(263.08,145.98) 264.66,145.98 D54.4
  Bottom w0.25: v1(271.39,142.71) 268.12,145.98 v1(263.08,145.98)
Net-(D54-Pad2): length 58.3
  Top w0.25: v1(261.62,142.62) 261.59,142.65 D54.2 ; 294.51,178.45 294.51,178.17 v1(295.27,177.41)
  Bottom w0.25: v1(295.27,177.41) 297.16,175.52 297.16,172.5 278.94,154.28 270.5,154.28 261.62,145.4 v1(261.62,142.62)
Net-(D55-Pad2): length 13.2
  Top w0.25: 286.88,172.61 285.55,171.28 v1(285.24,171.28) ; 292.53,172.95 292.77,172.95 v1(293.68,173.86)
  Bottom w0.25: v1(293.68,173.86) 290.82,173.86 288.24,171.28 v1(285.24,171.28)
Net-(D56-Pad2): length 11.5
  Top w0.25: v1(286.48,167.97) 285.59,167.08 D56.2 ; v1(278.93,166.51) 279.81,167.39 D57.4
  Bottom w0.25: v1(286.48,167.97) 280.39,167.97 v1(278.93,166.51)
Net-(D57-Pad2): length 11.1
  Top w0.25: v1(272.22,161.25) 272.54,161.25 D58.4 ; D57.2 278.65,161.89 v1(279.56,162.8)
  Bottom w0.25: v1(279.56,162.8) 273.77,162.8 v1(272.22,161.25)
Net-(D58-Pad2): length 11.6
  Top w0.25: D59.4 265.57,156.68 v1(264.94,156.05) ; D58.2 271.77,156.64 v1(272.68,157.55)
  Bottom w0.25: v1(272.68,157.55) 266.44,157.55 v1(264.94,156.05)
Net-(D59-Pad2): length 14.9
  Top w0.25: v1(264.09,152.59) 263.5,152 D59.2 ; v1(254.09,148.68) 255.77,148.68 D60.4
  Bottom w0.25: v1(254.09,148.68) 258,152.59 v1(264.09,152.59)
Net-(D60-Pad2): length 16
  Top w0.25: v1(252.41,145.57) 252.37,145.53 D60.2 ; v1(240.78,148.37) 241.06,148.65 D61.4
  Bottom w0.25: v1(252.41,145.57) 249.61,148.37 v1(240.78,148.37)
Net-(D61-Pad2): length 12.1
  Top w0.25: D61.2 239.4,144.65 v1(239.7,144.95) ; v1(231.48,143.5) 232.57,144.59 D62.4
  Bottom w0.25: v1(239.7,144.95) 239.41,144.66 234.87,144.66 233.71,143.5 v1(231.48,143.5)
Net-(D62-Pad2): length 14.3
  Top w0.25: D62.2 230.32,139.37 v1(231.29,140.34) ; v1(221.2,141.88) 222.98,141.88 D63.4
  Bottom w0.25: v1(221.2,141.88) 229.75,141.88 v1(231.29,140.34)
Net-(D63-Pad2): length 16.4
  Top w0.25: D63.2 219.55,138.73 v1(219.59,138.69) ; v1(207.62,141.71) 207.68,141.77 D64.4
  Bottom w0.25: v1(207.62,141.71) 216.57,141.71 v1(219.59,138.69)
Net-(D64-Pad2): length 27.7
  Top w0.25: v1(205.96,138.56) 205.95,138.57 D64.2 ; v1(186.38,141.9) 188,141.9 D65.4
  Bottom w0.25: v1(205.96,138.56) 198.4,146.12 195.03,146.12 195.03,146.12 190.6,146.12 v1(186.38,141.9)
Net-(D65-Pad2): length 21
  Top w0.25: D65.2 184.68,138.67 v1(184.7,138.65) ; v1(170.5,147.12) 172.15,147.12 172.16,147.13
  Bottom w0.25: v1(170.5,147.12) 178.97,138.65 v1(184.7,138.65)
Net-(D66-Pad2): length 13
  Top w0.25: v1(172.36,158.98) 172.36,157.23 D67.4 ; 168.96,152.03 v1(168.96,150.64)
  Bottom w0.25: v1(172.36,158.98) 172.36,154.04 v1(168.96,150.64)
Net-(D67-Pad2): length 23.3
  Top w0.25: D67.2 169.05,160.19 v1(168.97,160.11) ; D68.4 172.15,173.71 v1(170.86,173.71)
  Bottom w0.25: v1(168.97,160.11) 165.13,163.95 165.13,171.75 167.09,173.71 v1(170.86,173.71)
Net-(D68-Pad2): length 16.2
  Top w0.25: v1(169.15,177.22) 169.13,177.24 D68.2 ; D69.4 163.87,188.27 v1(163.89,188.25)
  Bottom w0.25: v1(163.89,188.25) 169.15,182.99 v1(169.15,177.22)
Net-(D69-Pad2): length 31.2
  Top w0.25: v1(160.67,186.37) 160.61,186.43 D69.2 ; v1(145.95,189.59) 147.82,189.59 147.84,189.61
  Bottom w0.25: v1(160.67,186.37) 160.67,190.66 154.18,197.15 152.13,197.15 144.59,189.61 145.93,189.61 v1(145.95,189.59)
Net-(D70-Pad2): length 16.1
  Top w0.25: v1(132.89,189.59) 134.64,189.59 134.66,189.61 ; 142.94,186.41 144.38,186.41 v1(144.44,186.47)
  Bottom w0.25: v1(132.89,189.59) 141.32,189.59 v1(144.44,186.47)
Net-(D71-Pad2): length 29.8
  Top w0.25: v1(112.5,176.49) 112.5,178.3 112.56,178.36 D72.4 ; 128.4,186.43 v1(129.73,186.43)
  Bottom w0.25: v1(129.73,186.43) 115.32,186.43 112.5,183.61 v1(112.5,176.49)
Net-(D72-Pad2): length 19
  Top w0.25: D73.4 108.96,165.24 v1(107.35,165.24) ; 115.71,173.41 v1(115.71,173.34) 115.76,173.39 D72.2
  Bottom w0.25: v1(115.71,173.34) 115.71,166.37 114.49,165.15 107.44,165.15 v1(107.35,165.24)
Net-(D73-Pad2): length 12.9
  Top w0.25: D74.4 100.26,165.54 v1(98.44,165.54) ; v1(106.05,162.1) 105.92,162.23 D73.2
  Bottom w0.25: v1(98.44,165.54) 101.88,162.1 v1(106.05,162.1)
Net-(D74-Pad2): length 11.7
  Top w0.25: v1(97.21,162.24) 97.2,162.23 D74.2 ; D75.4 91.8,165.52 v1(90.28,165.52)
  Bottom w0.25: v1(97.21,162.24) 93.93,165.52 v1(90.28,165.52)
Net-(D75-Pad2): length 11.7
  Top w0.25: D75.2 v1(88.54,162.23) ; v1(81.55,165.48) 83.3,165.48 D76.4
  Bottom w0.25: v1(81.55,165.48) 85.29,165.48 v1(88.54,162.23)
Net-(D76-Pad2): length 11.3
  Top w0.25: D76.2 79.93,162.23 v1(79.95,162.25) ; D77.4 75.14,165.51 v1(73.36,165.51)
  Bottom w0.25: v1(79.95,162.25) 76.69,165.51 v1(73.36,165.51)
Net-(D77-Pad2): length 14.4
  Top w0.25: v1(64.01,169.02) 64.25,169.02 D78.4 ; v1(71.96,162.29) 71.9,162.23 D77.2
  Bottom w0.25: v1(64.01,169.02) 65.23,169.02 v1(71.96,162.29)
Net-(D78-Pad2): length 9.9
  Top w0.25: v1(60.77,167.47) 59.79,168.45 D78.2 ; D79.4 58.95,173.28 v1(58.61,173.28)
  Bottom w0.25: v1(58.61,173.28) 60.77,171.12 v1(60.77,167.47)
Net-(D79-Pad2): length 10.7
  Top w0.25: v1(53.02,177.97) 53.33,177.97 D80.4 ; v1(55.29,171.83) 54.16,172.96 D79.2
  Bottom w0.25: v1(53.02,177.97) 55.29,175.7 v1(55.29,171.83)
Net-(D80-Pad2): length 10.1
  Top w0.25: D81.4 47.74,182.41 v1(47.58,182.41) ; D80.2 48.73,177.47 v1(49.77,176.43)
  Bottom w0.25: v1(47.58,182.41) 49.77,180.22 v1(49.77,176.43)
Net-(D81-Pad2): length 10.9
  Top w0.25: v1(44.24,180.89) 43.15,181.98 D81.2 ; D82.4 41.65,187.32 v1(41.58,187.32)
  Bottom w0.25: v1(44.24,180.89) 44.24,184.66 v1(41.58,187.32)
Net-(D82-Pad2): length 10.4
  Top w0.25: D83.4 35.99,191.98 v1(35.76,191.98) ; D82.2 37.07,186.89 v1(38.09,185.87)
  Bottom w0.25: v1(38.09,185.87) 38.09,189.65 v1(35.76,191.98)
Net-(D83-Pad2): length 9.9
  Top w0.25: v1(30.27,196.42) 31.4,195.29 D84.4 ; v1(32.4,190.63) 31.44,191.59 D83.2
  Bottom w0.25: v1(30.27,196.42) 32.4,194.29 v1(32.4,190.63)
Net-(D84-Pad2): length 10.3
  Top w0.25: D84.2 25.82,195.99 v1(26.87,194.94) ; v1(24.71,200.96) 25.89,199.78 D85.4
  Bottom w0.25: v1(26.87,194.94) 26.87,198.8 v1(24.71,200.96)
Net-(D85-Pad2): length 10.3
  Top w0.25: D85.2 20.35,200.48 v1(21.4,199.43) ; v1(19.31,205.43) 19.4,205.43 D86.4
  Bottom w0.25: v1(21.4,199.43) 21.4,203.34 v1(19.31,205.43)
Net-(D86-Pad2): length 10.2
  Top w0.25: v1(16.02,203.85) 14.9,204.97 D86.2 ; D87.4 13.92,209.76 v1(13.76,209.76)
  Bottom w0.25: v1(13.76,209.76) 16.02,207.5 v1(16.02,203.85)
Net-(D87-Pad2): length 10.2
  Top w0.25: D87.2 9.12,209.28 v1(10.28,208.12) ; v1(8.15,214.37) 8.15,214.36 D88.4
  Bottom w0.25: v1(8.15,214.37) 10.28,212.24 v1(10.28,208.12)
Net-(D88-Pad2): length 71.9
  Top w0.25: D89.4 26.73,165.73 v1(26.73,165.8) ; D88.2 4.25,214.1 v1(4.91,213.43)
  Bottom w0.25: 26.74,165.41 8.03,165.41 4.91,168.53 v1(4.91,213.43) ; 26.74,165.41 26.74,165.79 v1(26.73,165.8) ; 26.74,165.41 26.86,165.41
Net-(D89-Pad2): length 14.6
  Top w0.25: v1(29.51,166.54) 30.63,167.66 D89.2 ; D90.4 38.53,164.68 v1(39.93,164.68)
  Bottom w0.25: v1(29.51,166.54) 31.37,164.68 v1(39.93,164.68)
Net-(D90-Pad2): length 14.9
  Top w0.25: v1(41.85,168.01) 41.89,167.97 D90.2 ; D91.4 50.65,164.83 v1(52.28,164.83)
  Bottom w0.25: v1(52.28,164.83) 45.03,164.83 v1(41.85,168.01)
Net-(D91-Pad2): length 110.4
  Top w0.25: D91.2 54.12,167.99 v1(53.97,167.84) ; D92.4 128.89,123.8 v1(129.16,123.8)
  Bottom w0.25: v1(129.16,123.8) 119.21,133.75 119.21,157.19 64.62,157.19 v1(53.97,167.84)
Net-(D92-Pad2): length 35
  Top w0.25: v1(132.59,124.9) 133.5,123.99 D92.2 ; 148.08,101.45 148.11,101.42 v1(148.11,99.65)
  Bottom w0.25: v1(148.11,99.65) 148.11,109.38 v1(132.59,124.9)
Net-(D93-Pad2): length 24
  Top w0.25: 151.28,96.55 151.28,98.11 v1(151.27,98.12) ; 148.03,80.96 148.18,80.81 v1(148.18,79.01)
  Bottom w0.25: v1(148.18,79.01) 151.27,82.1 v1(151.27,98.12)
Net-(D94-Pad2): length 20.6
  Top w0.25: D95.4 152.19,60.14 v1(152.19,60.41) ; 151.23,76.06 v1(151.23,77.53)
  Bottom w0.25: v1(151.23,77.53) 151.23,61.37 v1(152.19,60.41)
Net-(D95-Pad2): length 22.6
  Top w0.25: v1(155.88,60.24) 156.63,59.49 D95.2 ; v1(168.89,54.39) 167.65,54.39 D96.4
  Bottom w0.25: v1(155.88,60.24) 153.78,58.14 153.78,58 157.39,54.39 v1(168.89,54.39)
Net-(D96-Pad2): length 11.1
  Top w0.25: D97.4 167.46,46.32 v1(167.46,44.71) ; D96.2 170.72,51.19 v1(170.73,51.2)
  Bottom w0.25: v1(167.46,44.71) 167.46,47.93 v1(170.73,51.2)
Net-(D98-Pad2): length 11.2
  Top w0.25: v1(170.77,34.73) 170.72,34.68 D98.2 ; v1(167.52,28.11) D99.4
  Bottom w0.25: v1(170.77,34.73) 167.52,31.48 v1(167.52,28.11)
Net-(D100-Pad2): length 14.1
  Top w0.25: D100.2 173.82,13.92 v1(173.73,14.01) ; D101.4 170.62,7.17 v1(170.62,5.07)
  Bottom w0.25: v1(170.62,5.07) 170.62,10.9 v1(173.73,14.01)
